# Altium PCB AEX1_PiOBD_V0.2_ALLPCB_6L.PcbDoc (part 1 of 4)
Units mm, origin at the board's own origin, x right, y up, seen from the top; angles counter-clockwise.
Board outline 130.5 x 65 mm, 6 copper layers (L1, L2(GND), L3, L4(PWR), L5(GND), L6), stack 1.565 mm thick; 307 components, 207 nets, 1196 pads, 423 vias.
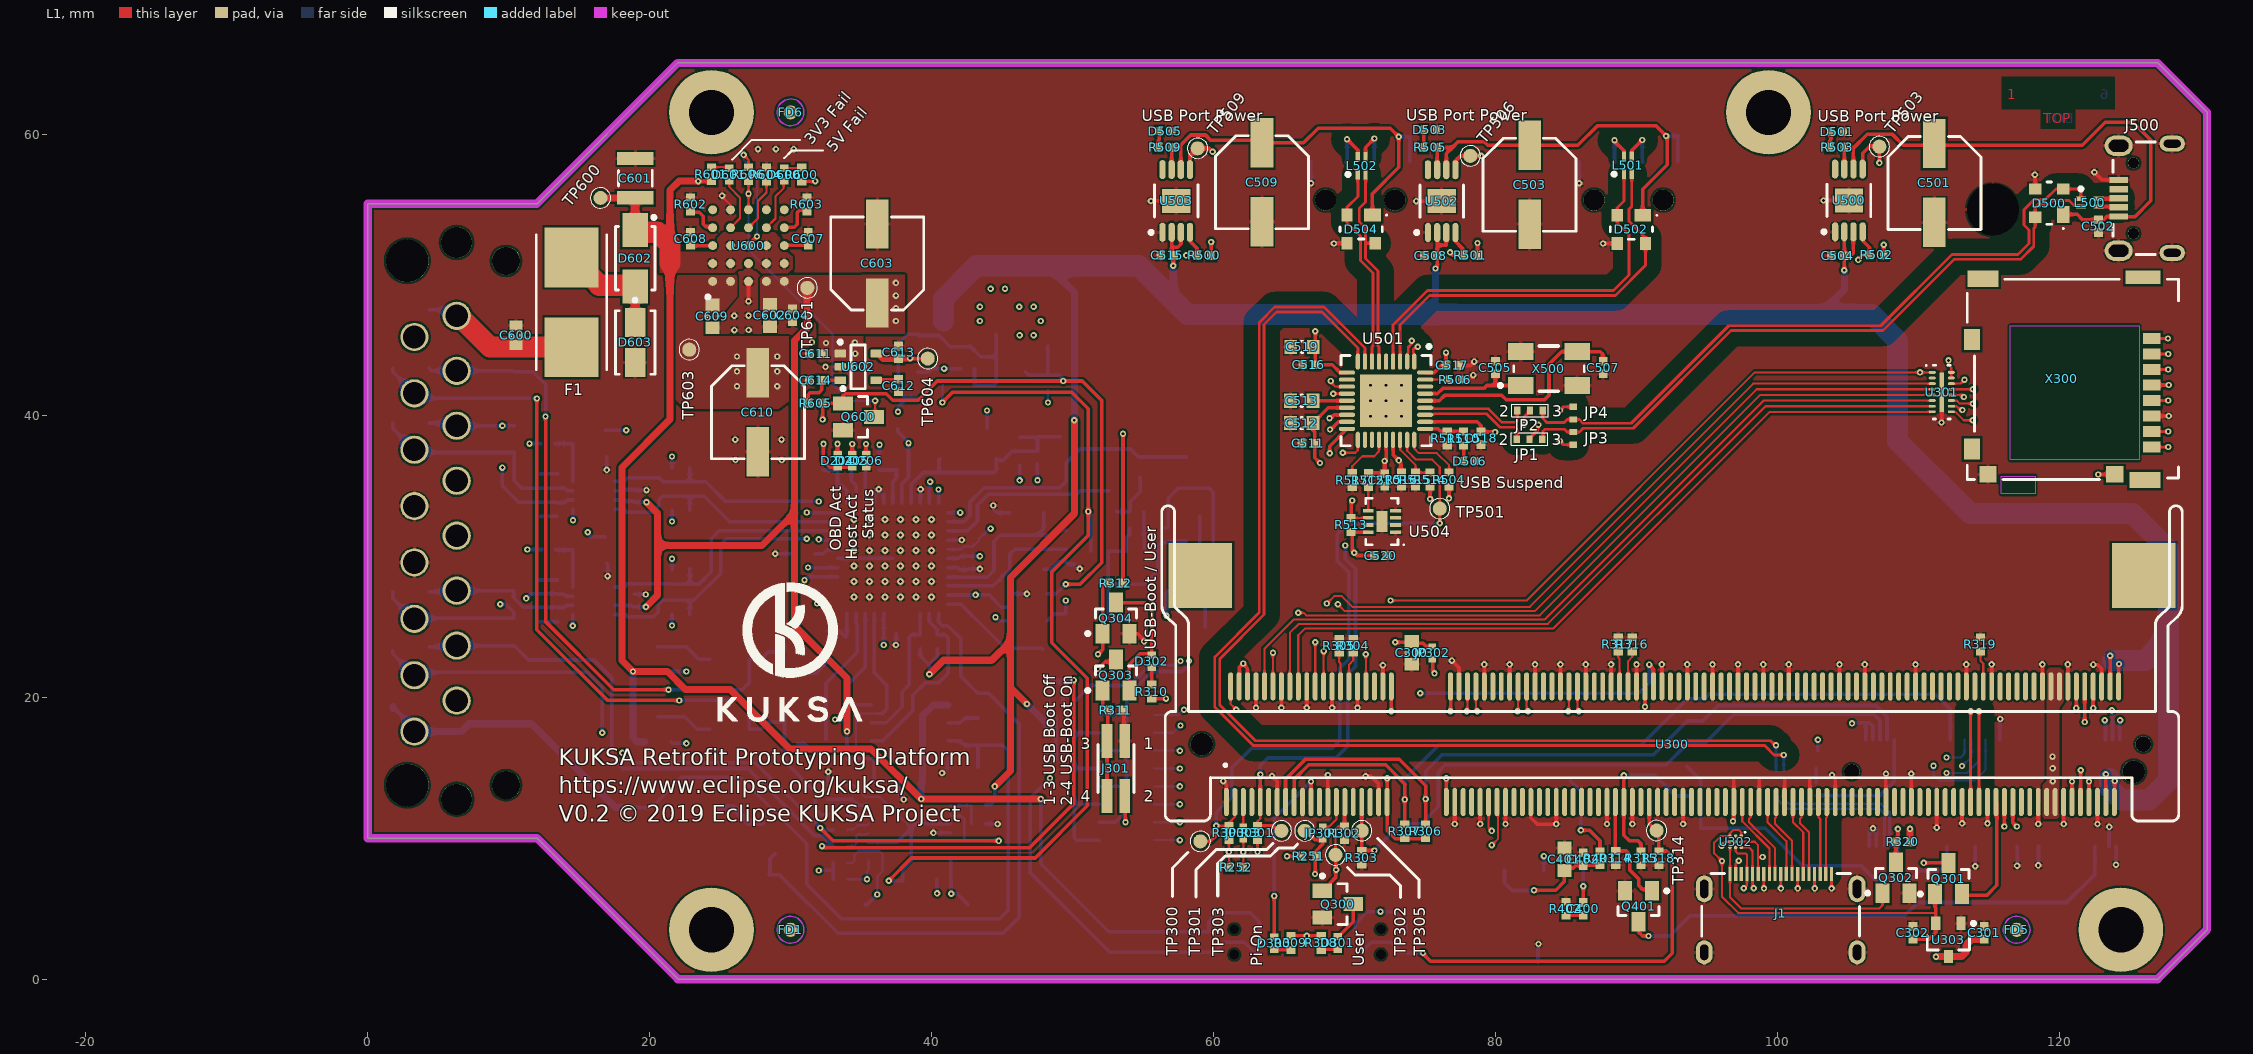
[diagram p0: L1 view]
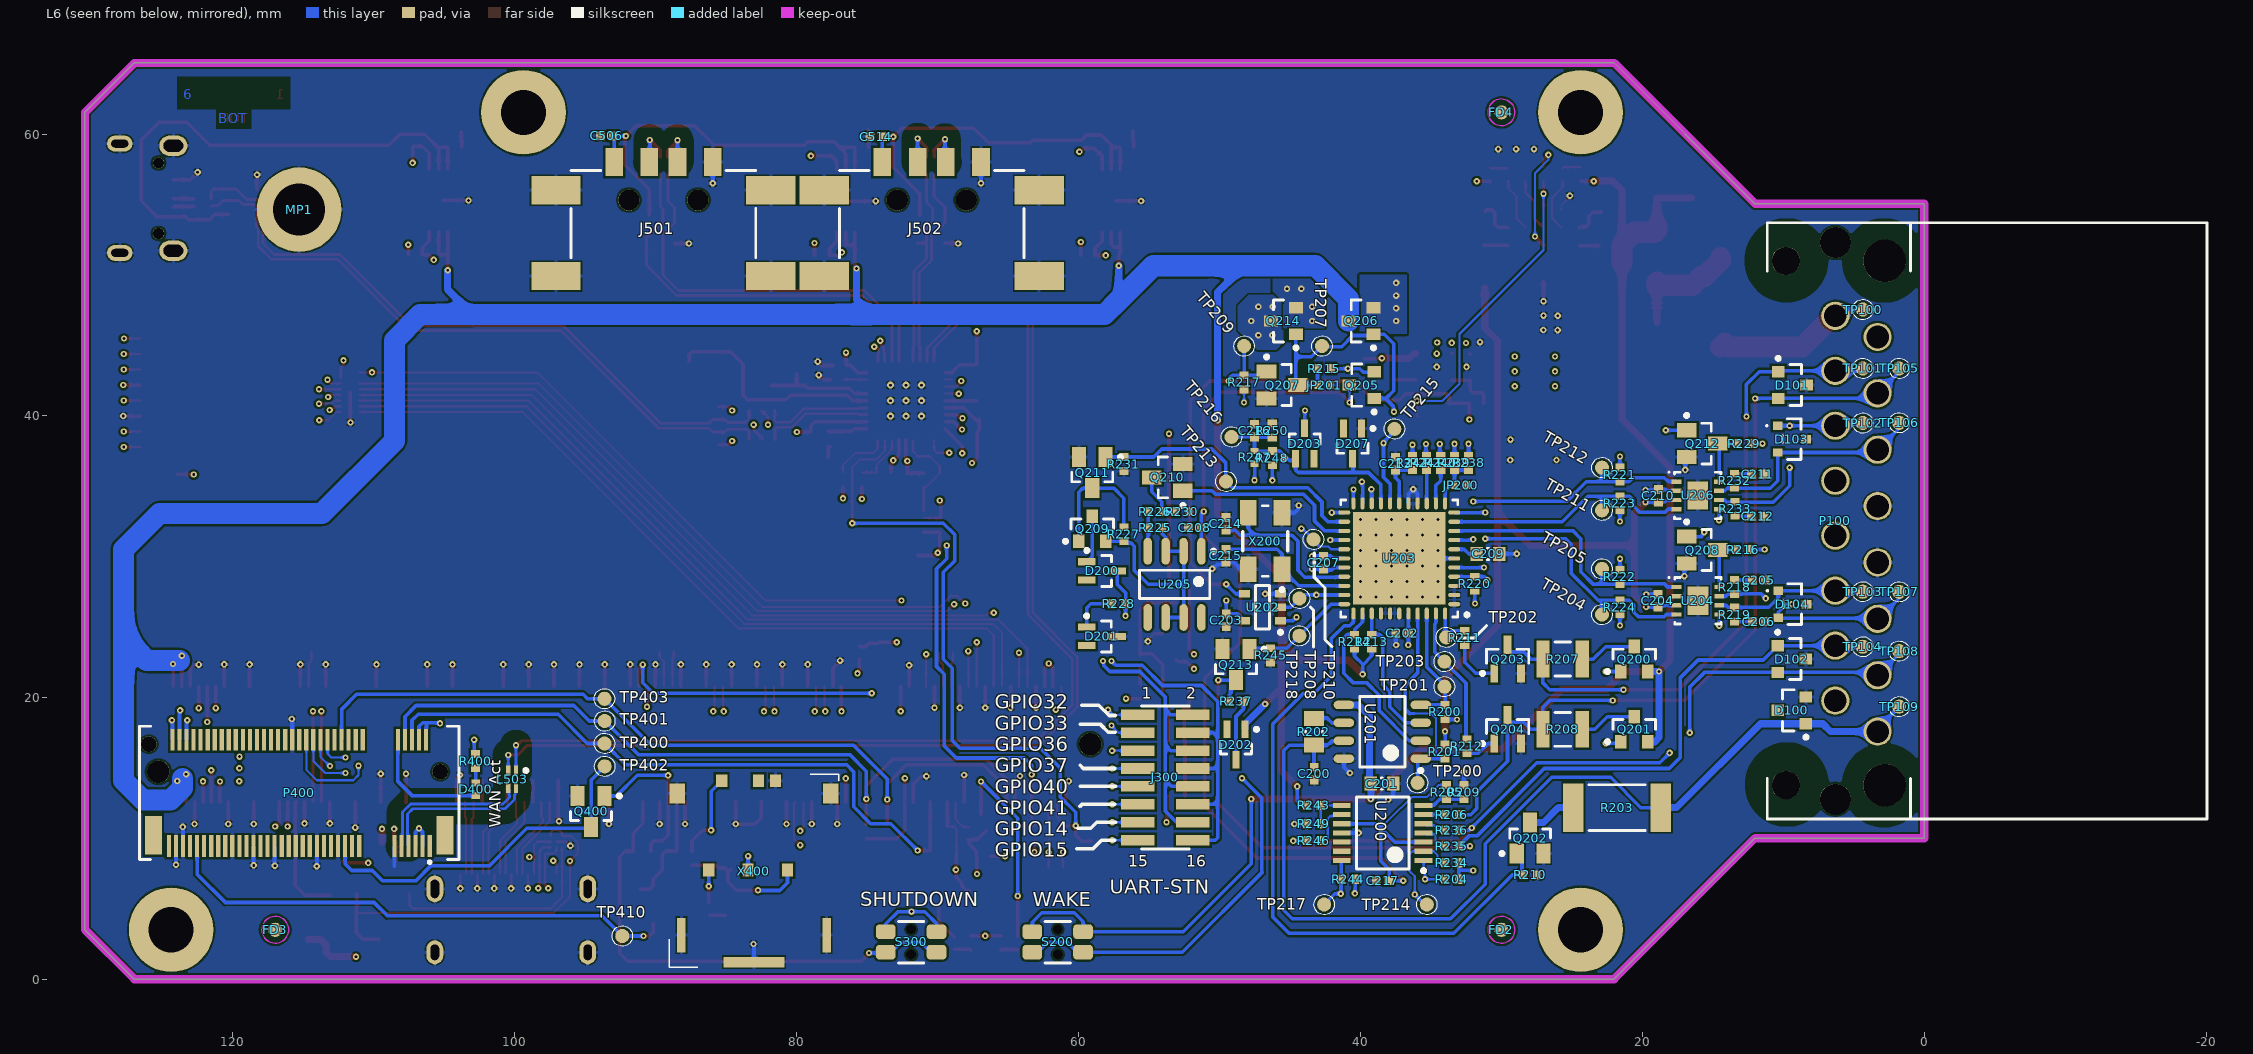
[diagram p1: L6 view, seen from below]
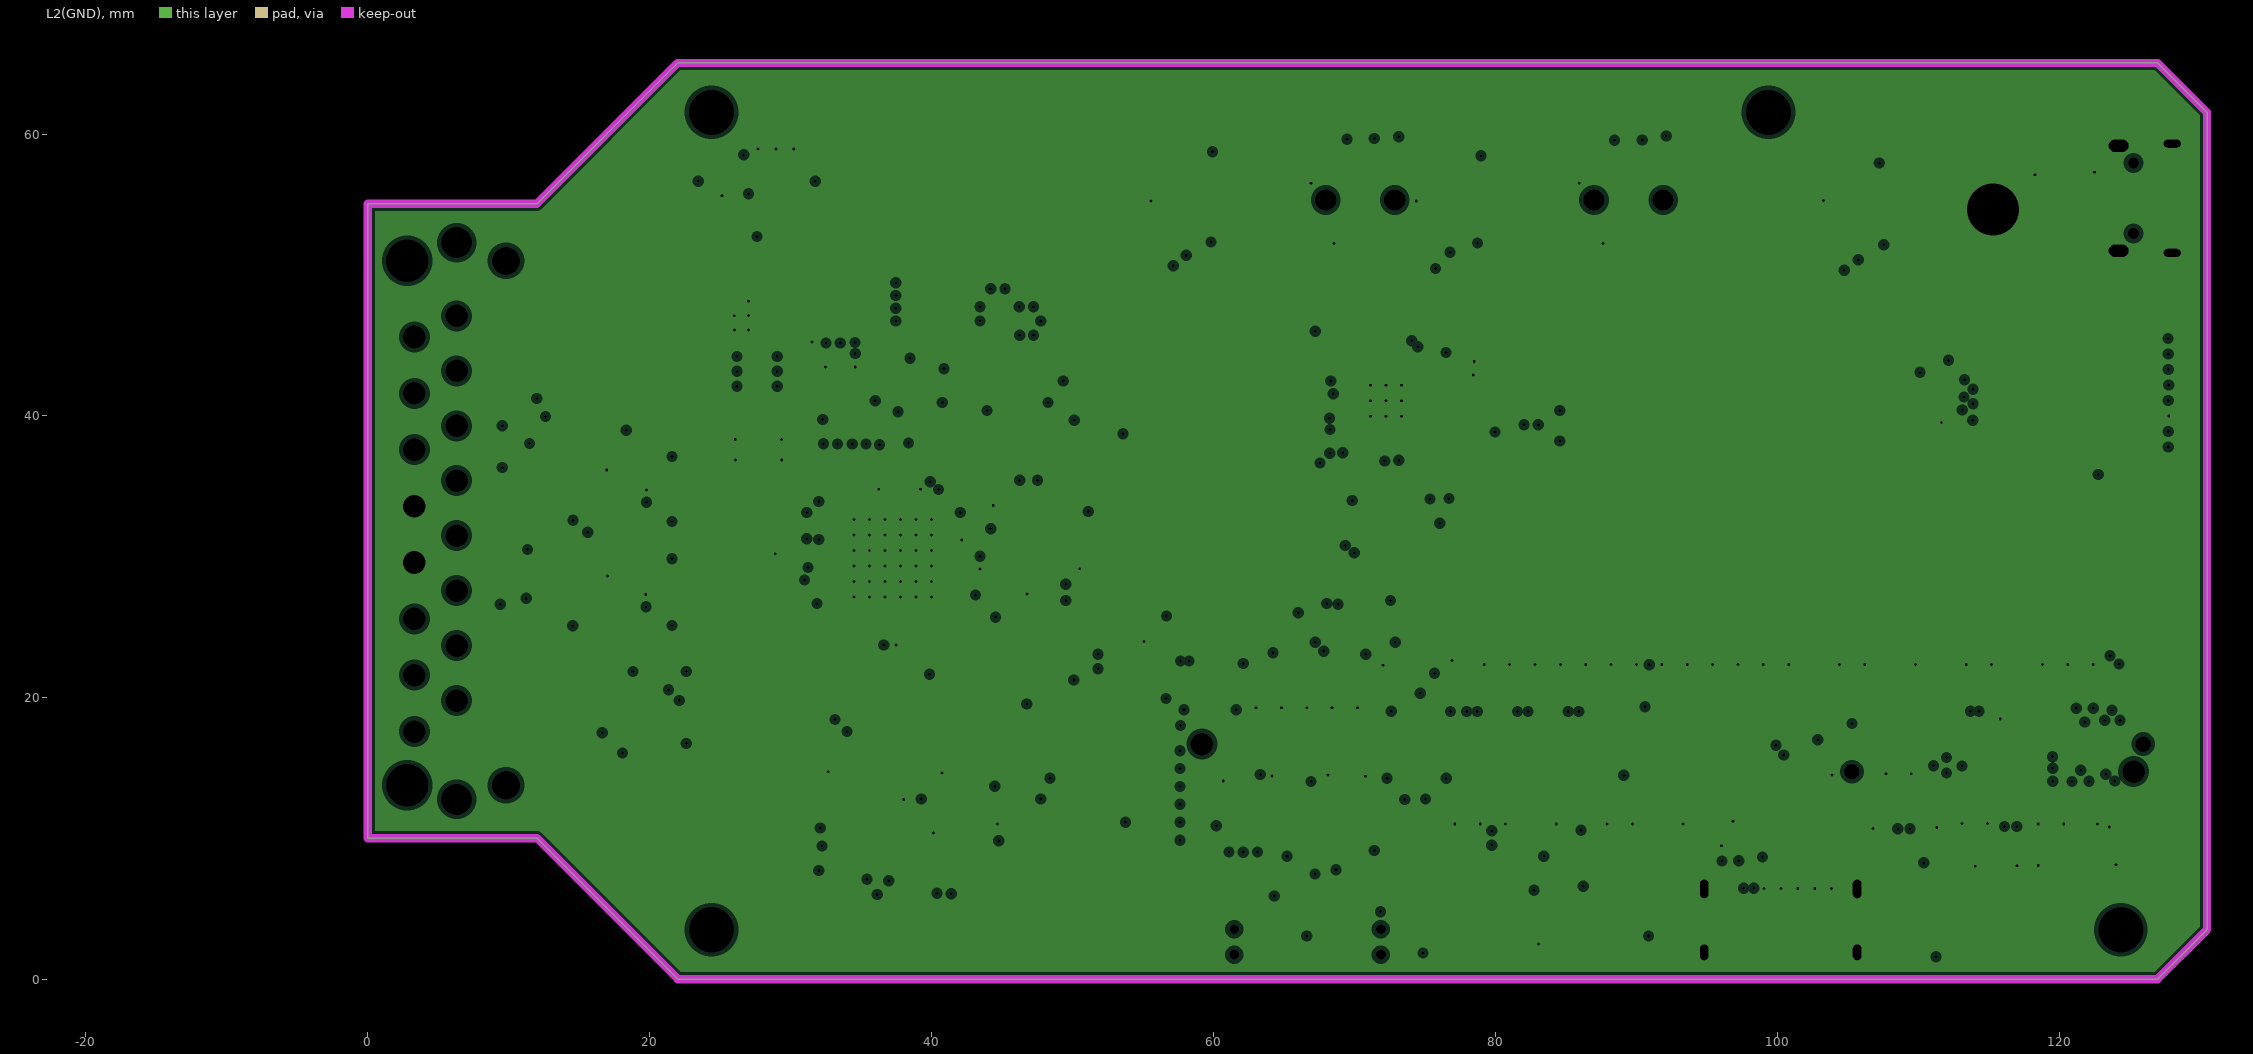
[diagram p2: L2(GND), clearances drawn from the general rule]
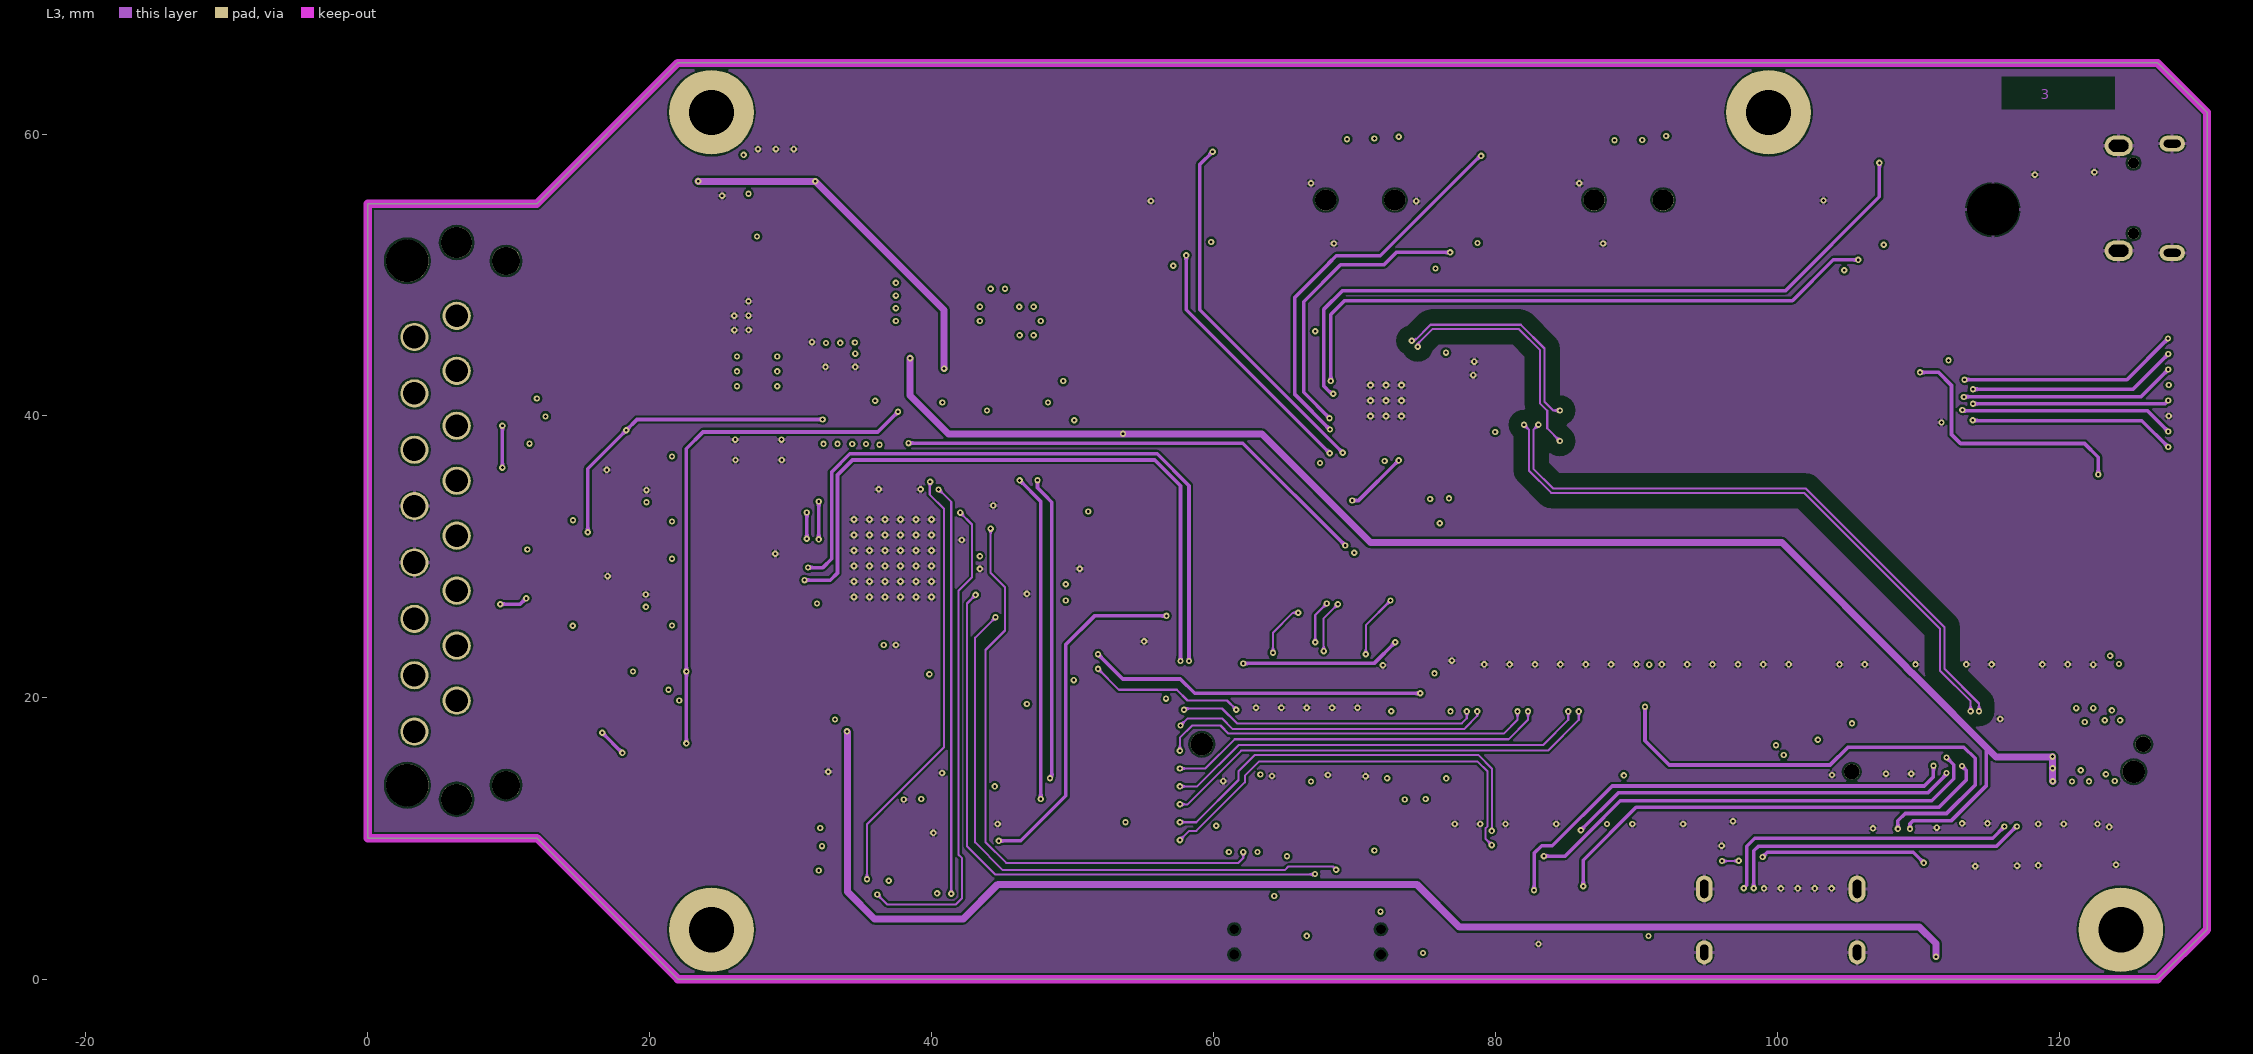
[diagram p3: L3]
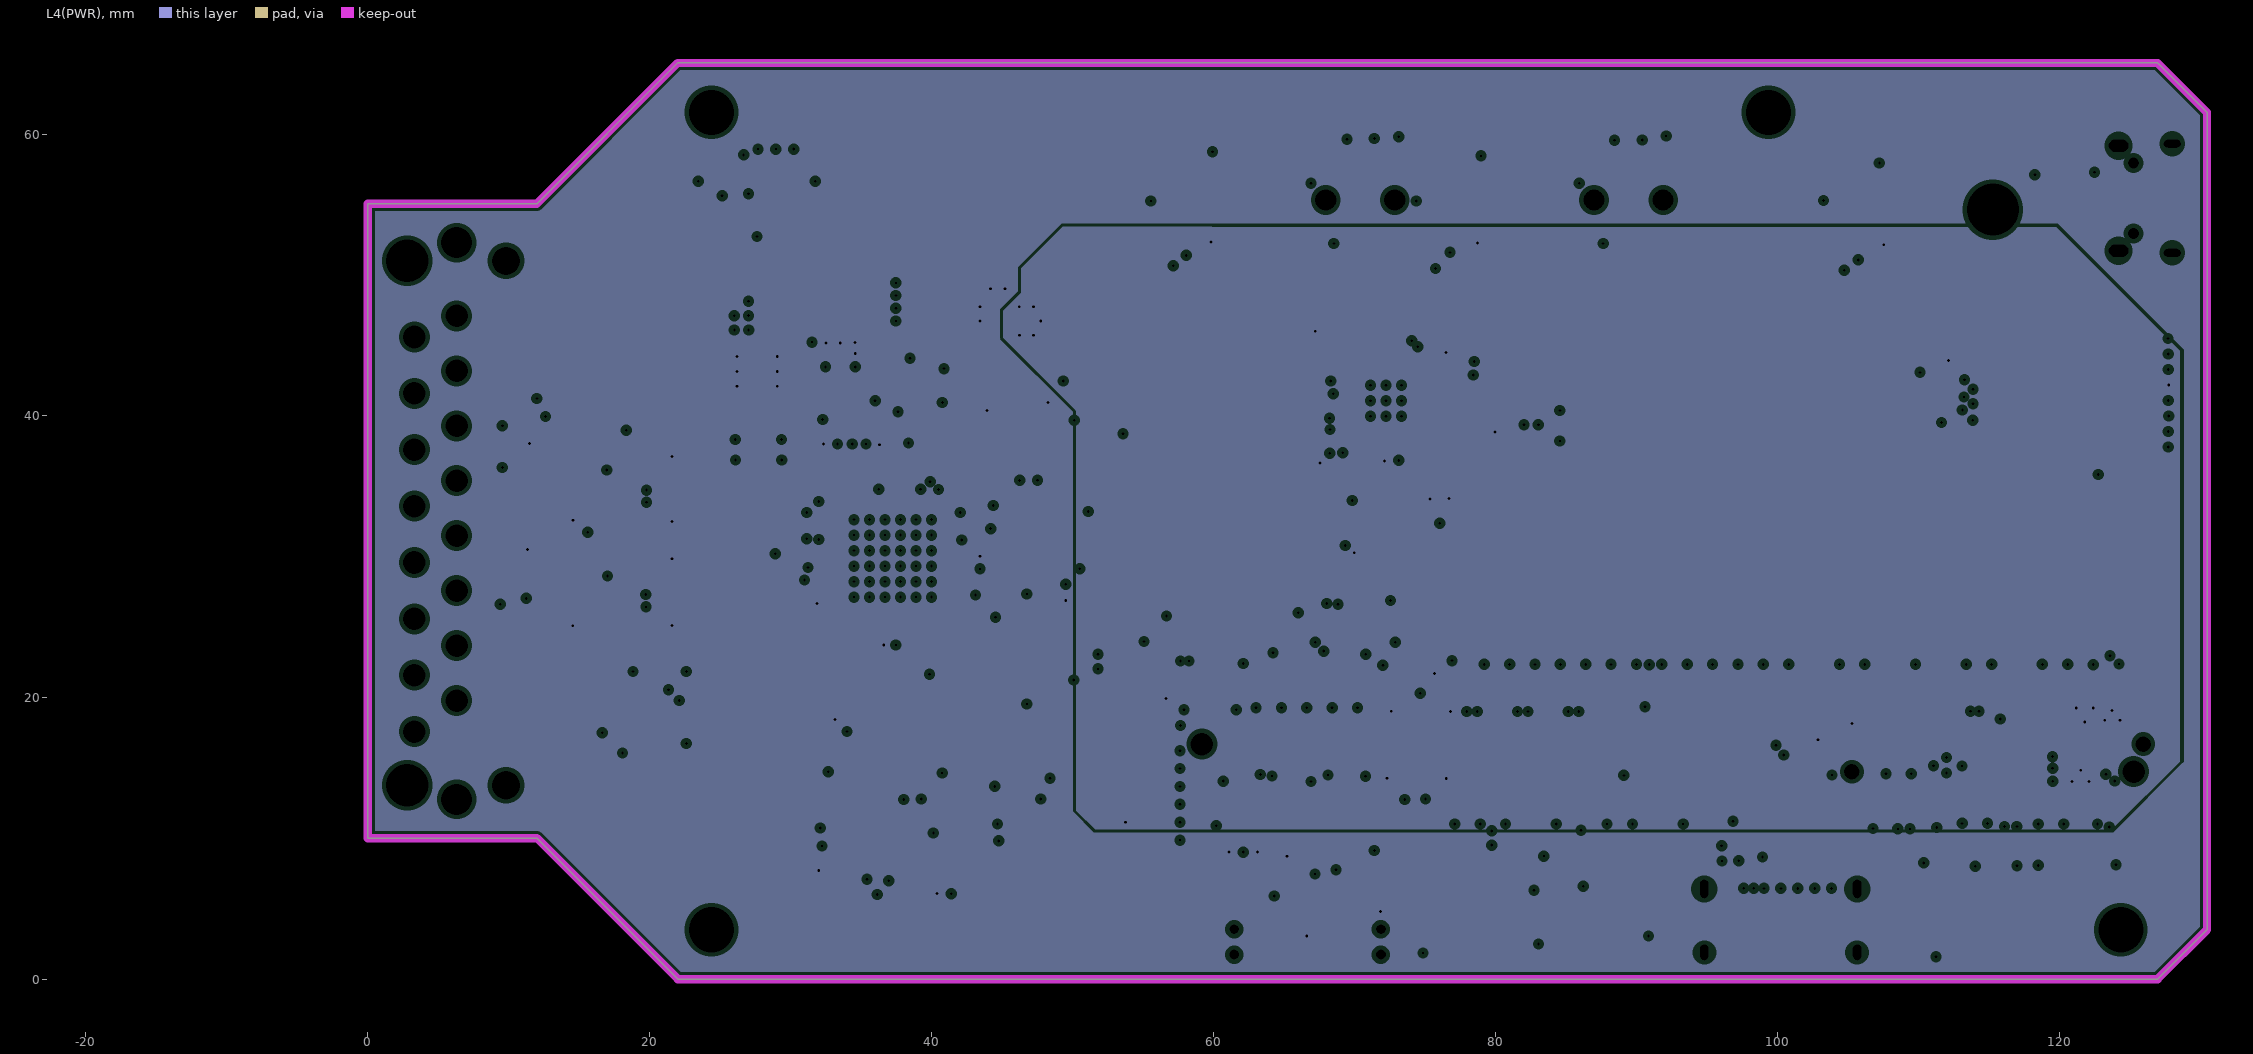
[diagram p4: L4(PWR), clearances drawn from the general rule]
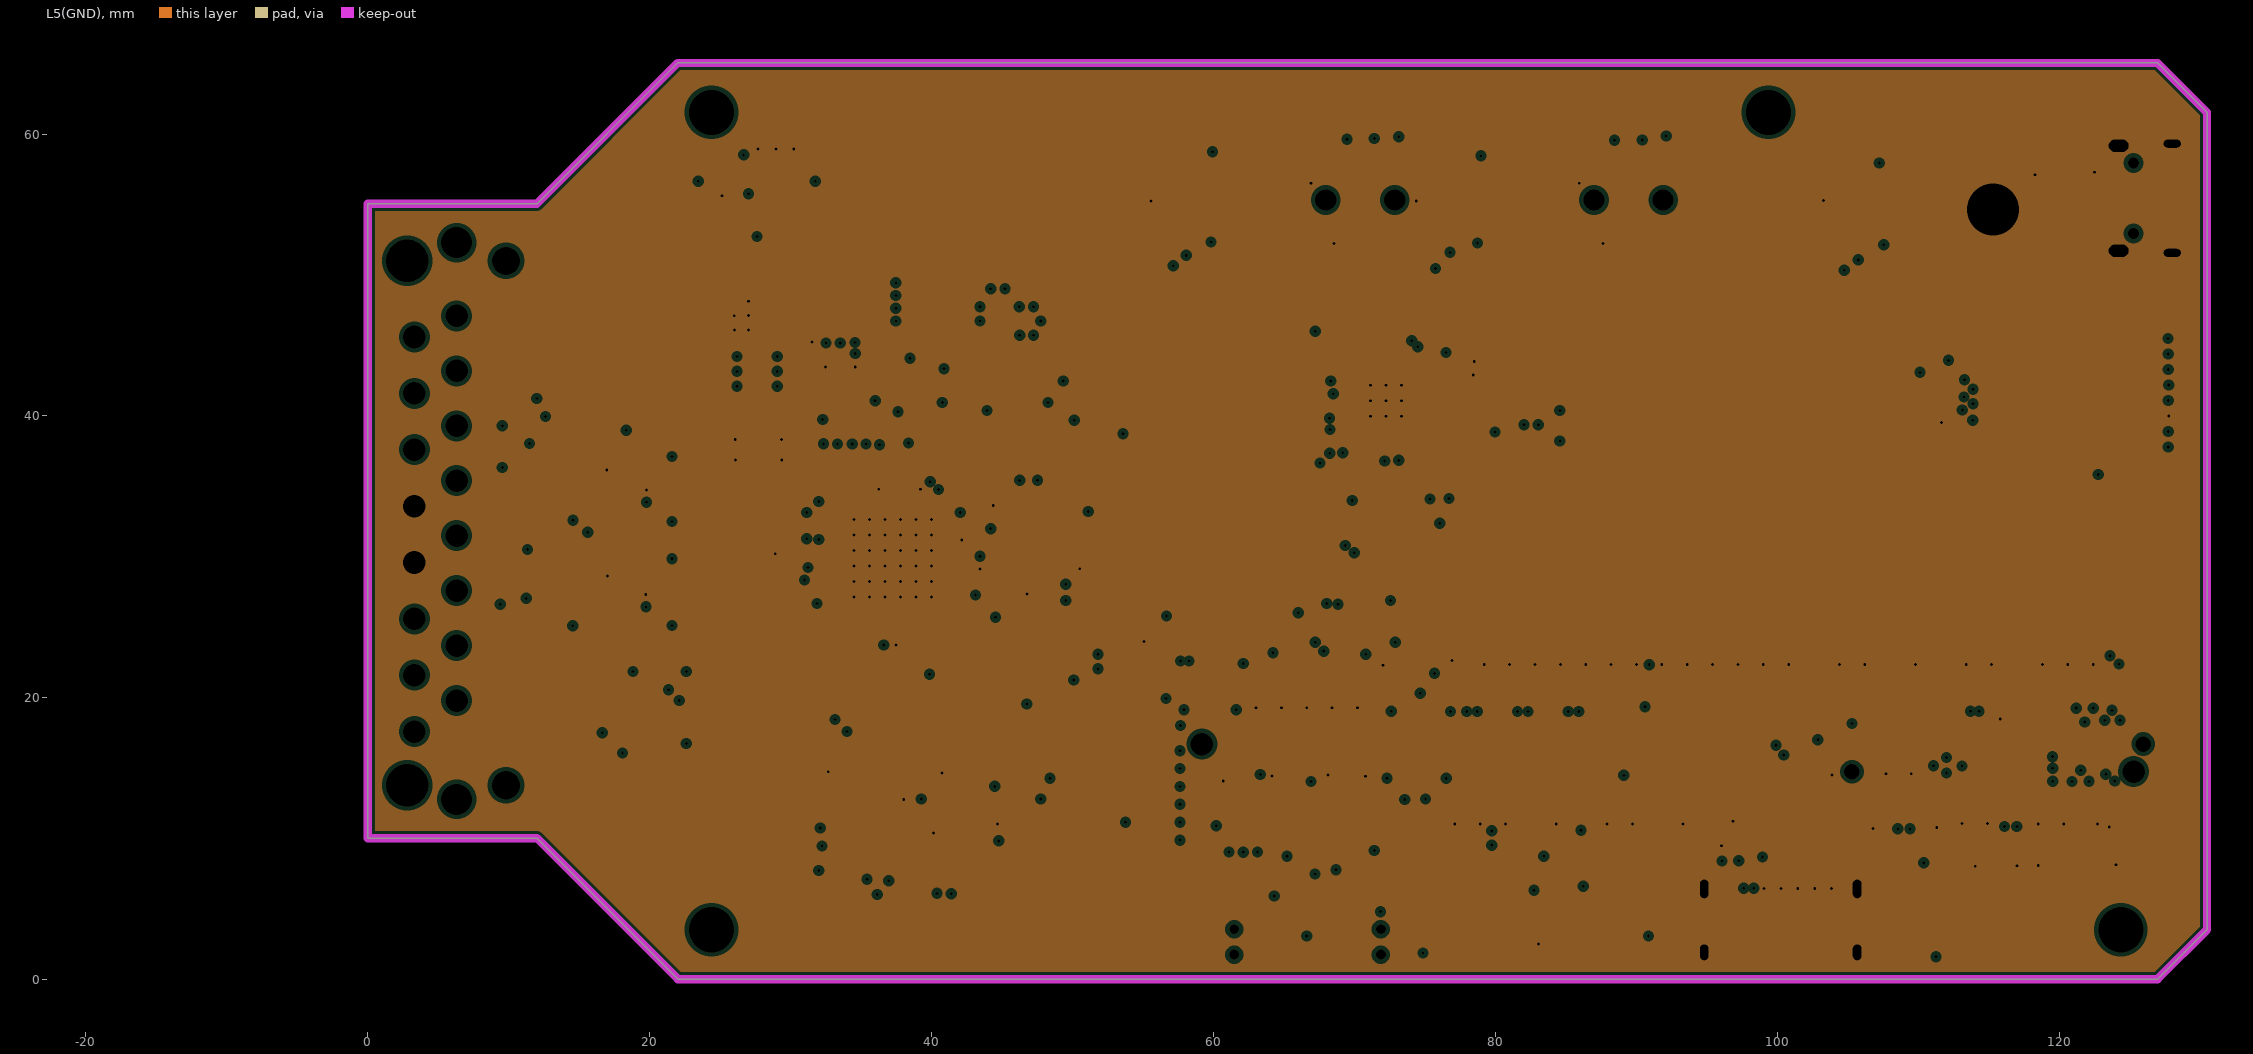
[diagram p5: L5(GND), clearances drawn from the general rule]

## Layer stack, top to bottom
Top Solder: solder mask 0.0102, Solder Resist, Dk 3.5
L1: signal copper 0.035
Dielectric 1: prepreg 0.185, Dk 4.2
L2(GND): plane copper 0.035, net GND
Dielectric 2: core 0.4, FR4, Dk 4.2
L3: signal copper 0.035
Dielectric 3: prepreg 0.185, Dk 4.2
L4(PWR): plane copper 0.035, net (Multiple Nets)
Dielectric 4: core 0.4, FR4, Dk 4.2
L5(GND): plane copper 0.035, net GND
Dielectric 5: prepreg 0.185, Dk 4.2
L6: signal copper 0.035
Bottom Solder: solder mask 0.0102, Solder Resist, Dk 3.5

## Board outline
0,10.042 0,55.061 12,55.061 21.981,65.042 127,65.042 130.5,61.542 130.5,3.542 127,0.042 22,0.042 12,10.042

## Design rules (kind name [scope] priority, off if disabled: settings)
Clearance Clearance_1 [(InDifferentialPairClass('All Differential Pairs'))] p1: gap=0.15 ignorepadtopadclearanceinfootprint=FALSE except(1: Track-Poly)
Clearance [All] p2: gap=0.15 ignorepadtopadclearanceinfootprint=FALSE
ComponentClearance [All] p1: gap=0.1 collisioncheckmode=3 verticalgap=0.1 showdistances=FALSE
DiffPairsRouting DiffPairsRouting90 [InDifferentialPairClass('DIFF90')] p1: maxlimit=0.16 minlimit=0.15 mostfreqgap=0.16 toplayer_maxgap=0.15 toplayer_prefgap=0.15 toplayer_minwidth=0.2 toplayer_maxwidth=0.2 toplayer_prefwidth=0.2 midlayer1_mingap=0.16 midlayer1_minwidth=0.15 midlayer1_maxwidth=0.15 midlayer1_prefwidth=0.15 bottomlayer_maxgap=0.15 bottomlayer_prefgap=0.15 bottomlayer_minwidth=0.2 bottomlayer_maxwidth=0.2 bottomlayer_prefwidth=0.2 maxuncoupledlength=12.7
DiffPairsRouting DiffPairsRouting100 [InDifferentialPairClass('DIFF100')] p2: maxlimit=0.15 minlimit=0.15 mostfreqgap=0.15 toplayer_minwidth=0.15 toplayer_maxwidth=0.15 toplayer_prefwidth=0.15 midlayer1_minwidth=0.15 midlayer1_maxwidth=0.15 midlayer1_prefwidth=0.15 bottomlayer_minwidth=0.15 bottomlayer_maxwidth=0.15 bottomlayer_prefwidth=0.15 maxuncoupledlength=12.7
HoleSize [All] p1: absolutevalues=TRUE maxlimit=3.2 minlimit=0.025 maxpercent=80.000 minpercent=20.000
HoleToHoleClearance [All] p1: gap=0.35 allowstackedmicrovias=TRUE
MinimumSolderMaskSliver [All] p1: minsoldermaskwidth=0.095
PlaneClearance [All] p1: clearance=0.3
PlaneConnect [All] p1: planeconnectstyle=Relief reliefexpansion=0.3 reliefentries=4 reliefconductorwidth=0.15 reliefairgap=0.1
PolygonConnect PolygonConnect_PWR [InNet('1.8V')    OR InNet('3.3V')    OR InNet('3.3V_SW')    OR InNet('5V')    OR InNet('5V_SW')    OR InNet('NetC601_2')  OR InNet('DLC_SW')    OR InNet('3.3V')] p1: connectstyle=Direct reliefconductorwidth=0.254 reliefentries=4 polygonreliefangle="90 Angle" airgapwidth=0.254
PolygonConnect PolygonConnect_All [All] p2: connectstyle=Relief reliefconductorwidth=0.254 reliefentries=4 polygonreliefangle="90 Angle" airgapwidth=0.1
RoomDefinition U_OBD_STN2120 [InComponentClass('U_OBD_STN2120')] p1: confinementstyle=ConfineIn formatcopy=TRUE lockcomponents=FALSE outline 10.554,0.238 67.856,0.238 67.856,48.473 10.554,48.473
RoomDefinition U_OBD_Connector [InComponentClass('U_OBD_Connector')] p2: confinementstyle=ConfineIn formatcopy=TRUE lockcomponents=FALSE outline -20.282,10.931 11.595,10.931 11.595,54.162 -20.282,54.162
RoomDefinition U_LTE_EM7455 [InComponentClass('U_LTE_EM7455')] p3: confinementstyle=ConfineIn formatcopy=TRUE lockcomponents=FALSE outline 76.594,0.441 126.835,0.441 126.835,57.794 76.594,57.794
RoomDefinition Overview [InComponentClass('Overview')] p4: confinementstyle=ConfineIn formatcopy=TRUE lockcomponents=FALSE outline 28.892,2.422 118.123,2.422 118.123,62.646 28.892,62.646
RoomDefinition U_USB_USB2534 [InComponentClass('U_USB_USB2534')] p5: confinementstyle=ConfineIn formatcopy=TRUE lockcomponents=FALSE outline 55.232,12.989 130.975,12.989 130.975,61.782 55.232,61.782
RoomDefinition U_RPI_CM3 [InComponentClass('U_RPI_CM3')] p6: confinementstyle=ConfineIn formatcopy=TRUE lockcomponents=FALSE outline 50.355,-0.346 130.645,-0.346 130.645,50.733 50.355,50.733
RoomDefinition U_PWR_Supply [InComponentClass('U_PWR_Supply')] p7: confinementstyle=ConfineIn formatcopy=TRUE lockcomponents=FALSE outline 9.842,35.036 40.602,35.036 40.602,59.014 9.842,59.014
RoutingVias [All] p1: holewidth=0.2 width=0.45 viastyle="Through Hole" minholewidth=0.2 minwidth=0.45 maxholewidth=0.2 maxwidth=0.45
SilkToSilkClearance [All] p1: silktosilkclearance=0.15
SilkToSolderMaskClearance [IsPad] p1: minsilkscreentomaskgap=0.15 clearancetoexposedcopper=TRUE
SolderMaskExpansion [All] p1: expansion=0.05
Width [InNet('5V_SW') OR   InNet('5V')      OR InNet('DLC') OR InNet('DLC_RAW')    OR InNet('1.8V') OR InNet('NetC200_2')     OR InNet('NetD602_A')    OR InNet('NetQ202_D')] p1: maxlimit=1.5 minlimit=0.25 preferedwidth=0.5 minimp=50.000000 maximp=50.000000 favimp=50.000000
Width Width_1 [All] p2: maxlimit=0.254 minlimit=0.15 preferedwidth=0.254 minimp=50.000000 maximp=50.000000 favimp=50.000000
21 further rules are at their usual default settings.

## Classes and differential pairs
net class U303_Nets: 5V GND H5V
net class C302_Nets: GND H5V
net class C301_Nets: 5V GND
net class J301_Nets: 3.3V_SW GND NetJ301_3
net class J300_Nets: NetJ300_2 NetJ300_4 RXD0_ALT0/RXD1_ALT5 RXD0_ALT2 RXD0_ALT3/RXD1_ALT5 RXD1_ALT3 TXD0_ALT0/TXD1_ALT5 TXD0_ALT2 TXD0_ALT3/TXD1_ALT5 TXD1_ALT3
net class R312_Nets: 1.8V EMMC_EN_N_1V8
net class R311_Nets: GND NetJ301_3
net class R310_Nets: 3.3V_SW NetD302_A
net class R252_Nets: 3.3V NetJP303_1
net class Q304_Nets: EMMC_EN_N_1V8 GND NetD302_C
net class Q303_Nets: EMMC_DISABLE_N NetD302_C NetJ301_3
net class JP303_Nets: NetJP303_1 NetJP303_2
net class JP2_Nets: USB_RPI_P USBDNX_P USBDNZ_P
net class JP3_Nets: USBDN1_N USBDNX_N
net class JP4_Nets: USBDN1_P USBDNX_P
net class JP1_Nets: USB_RPI_N USBDNX_N USBDNZ_N
net class D302_Nets: NetD302_A NetD302_C
net class D603_Nets: GND NetD602_A
net class R606_Nets: NetQ600_D NetR606_1
net class R251_Nets: 3.3V NetJP301_1
net class Q600_Nets: \PWR_SAVE GND NetQ600_D
net class Q214_Nets: 3.3V 3.3V_SW PWR_SAVE
net class JP302_Nets: 3.3V_SW NetC300_2
net class D602_Nets: DLC NetD602_A
net class C520_Nets: 3.3V_SW GND
net class C300_Nets: GND NetC300_2
component class Overview: FD1 FD2 FD3 FD4 FD5 FD6
net class MP1_Nets: GND
net class X500_Nets: GND NetC505_1 NetC507_1
net class R309_Nets: 3.3V NetD300_A
net class D300_Nets: NetD300_A NetD300_C
net class JP301_Nets: NetJP301_1 NetJP301_2
net class C217_Nets: DLC_SW GND
net class F1_Nets: DLC_RAW NetD602_A
net class JP201_Nets: GND PWR_SAVE
net class X300_Nets: 3.3V_SW GND NetU301_9 NetU301_10 NetU301_11 NetU301_12 NetU301_13 NetU301_14 WP/CD
net class U602_Nets: 1.8V 3.3V GND NetC612_2 NetC614_1
net class U504_Nets: 3.3V_SW GND NetR512_1 NetR513_1
net class U503_Nets: 5V_SW GND NetC509_1 NetR500_2 NetTP509_1 NetU503_8
net class U502_Nets: 5V_SW GND NetC503_1 NetR501_2 NetTP506_1 NetU502_8
net class U500_Nets: 5V_SW GND NetC501_1 NetR502_2 NetTP503_1 NetU500_8
net class U302_Nets: GND H5V HDMI_HPD HDMI_SCL HDMI_SDA NetJ1_14 NetU302_B1
net class U300_Nets: 1.8V 3.3V_SW 5V_SW CLK_N CLK_P D0_N D0_P D1_N D1_P D2_N D2_P EMMC_DISABLE_N EMMC_EN_N_1V8 GND HDMI_CEC HDMI_HPD_N_1V8 HDMI_SCL HDMI_SDA NetC300_2 NetD300_C NetJP301_2 NetJP303_2 NetP400_6 NetP400_8 NetP400_26 NetQ300_G NetQ400_G NetQ401_G NetR300_1 NetR301_1 NetR304_2 NetR305_2 NetR316_2 NetR317_2 NetR318_2 NetR319_1 NetU300_2 NetU300_5 NetU300_11 NetU300_15 NetU300_17 NetU300_21 NetU300_27 NetU300_36 NetU300_46 NetU300_47 NetU300_48 NetU300_52 NetU300_54 NetU300_58 NetU300_60 NetU300_63 NetU300_64 NetU300_65 NetU300_66 NetU300_70 NetU300_72 NetU300_75 NetU300_76 NetU300_77 NetU300_78 NetU300_87 NetU300_90 NetU300_93 NetU300_94 NetU300_95 NetU300_96 NetU300_99 NetU300_100 NetU300_101 NetU300_102 NetU300_105 NetU300_106 NetU300_107 NetU300_108 NetU300_112 NetU300_114 NetU300_118 NetU300_120 NetU300_124 NetU300_126 NetU300_128 NetU300_130 NetU300_132 NetU300_135 NetU300_136 NetU300_137 NetU300_138 NetU300_141 NetU300_142 NetU300_143 NetU300_144 NetU300_147 NetU300_148 NetU300_149 NetU300_150 NetU300_153 NetU300_154 NetU300_155 NetU300_156 NetU300_158 NetU300_159 NetU300_160 NetU300_161 NetU300_162 NetU300_166 NetU300_172 NetU300_174 NetU300_176 NetU300_177 NetU300_178 NetU300_179 NetU300_180 RXD0_ALT0/RXD1_ALT5 RXD0_ALT2 RXD0_ALT3/RXD1_ALT5 RXD1_ALT3 SDX_CLK SDX_CMD SDX_D0 SDX_D1 SDX_D2 SDX_D3 TXD0_ALT0/TXD1_ALT5 TXD0_ALT2 TXD0_ALT3/TXD1_ALT5 TXD1_ALT3 USB_RPI_N USB_RPI_P WP/CD
net class U206_Nets: 3.3V 5V GND HS_CAN_RX HS_CAN_TX NetD103_1 NetD103_2 NetQ212_D
net class U205_Nets: DLC_SW NetR225_1 NetU205_5 NetU205_8 V_J1850
net class U204_Nets: 3.3V 5V GND MS_CAN_RX MS_CAN_TX NetD104_1 NetD104_2 NetQ208_D
net class U202_Nets: 3.3V \PWR_SAVE GND NetJP301_1 NetQ300_G
net class U201_Nets: DLC GND NetC200_2 NetR202_1 SW_CAN_MODE0 SW_CAN_MODE1 SW_CAN_RX SW_CAN_TX
net class U200_Nets: DLC_SW GND ISO_RX NetR205_2 NetR206_1 NetR235_1 NetR236_1 NetR243_1 NetR246_1 NetU200_13 PWM_RX VPW_RX
net class TP604_Nets: 1.8V
net class TP603_Nets: 3.3V
net class TP601_Nets: 5V
net class TP600_Nets: DLC
net class TP509_Nets: NetTP509_1
net class TP506_Nets: NetTP506_1
net class TP503_Nets: NetTP503_1
net class TP501_Nets: NetR300_1
net class TP410_Nets: NetP400_67
net class TP403_Nets: NetP400_26
net class TP402_Nets: NetP400_25
net class TP401_Nets: NetP400_8
net class TP400_Nets: NetP400_6
net class TP314_Nets: NetR318_2
net class TP305_Nets: NetP400_6
net class TP303_Nets: NetJP301_1
net class TP302_Nets: NetQ300_G
net class TP301_Nets: NetR301_1
net class TP300_Nets: NetR300_1
net class TP218_Nets: J1850_BUS-_TX
net class TP217_Nets: VPW_RX
net class TP216_Nets: ANALOG_IN
net class TP215_Nets: NetR301_1
net class TP214_Nets: PWM_RX
net class TP213_Nets: J1850_BUS+_TX